# Altium PCB CameraControler0.7.PcbDoc (part 2 of 3) (continued)
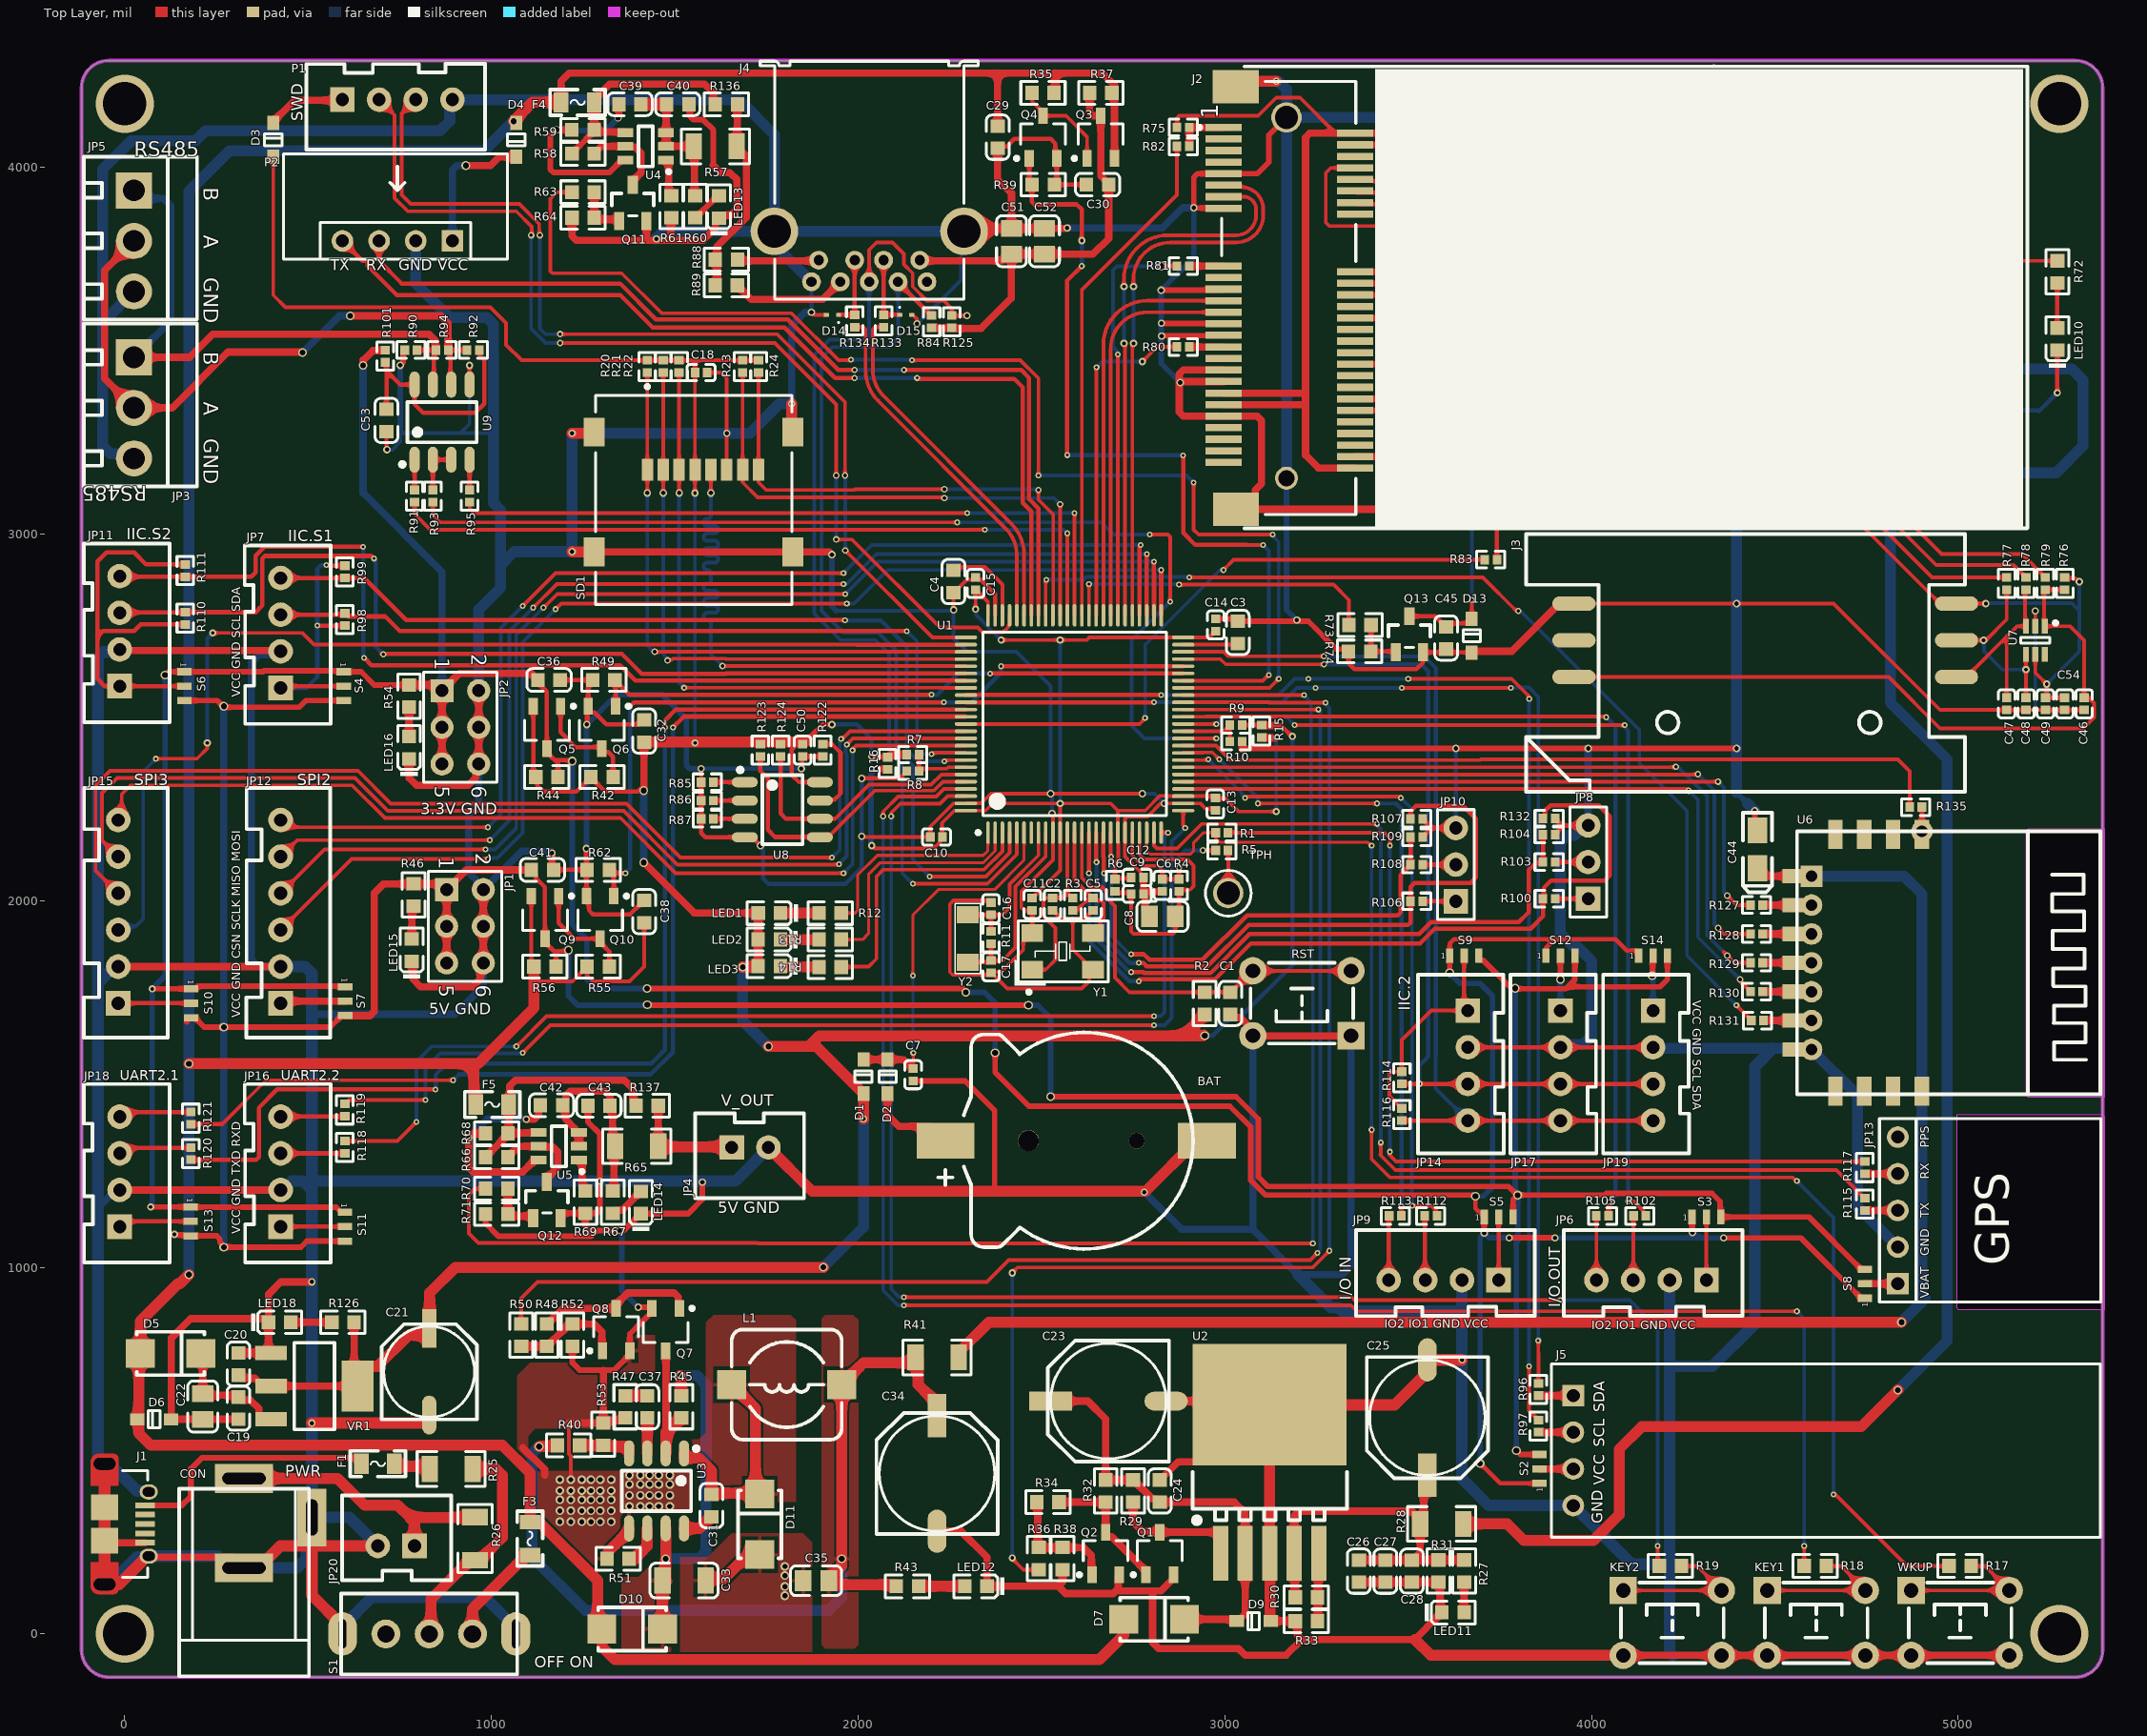
[diagram p0: Top Layer view]
## Nets (pads, with @x,y where several pads share a name; then routed paths per layer and width w, separated by ;. In a path a pad name is that pad's centre, name@x,y a point inside that pad or via, vN(x,y) a via of type N, cw(c..) or ccw(c..) an arc to the next point about the centre after c; other vN are vias at no path point) (continued)
  Top Layer w15: v2(751.28,3460) 759.13,3467.85 759.13,3497.22 R90.2@763.44,3501.54 ; v2(1258.87,2142.08) 1258.87,2086.08 R62.1@1260.95,2083.99 ; v2(1260,2480.3) 1260.96,2481.26 1260.96,2527.35 Q6.2@1263.74,2530.13 ; C7.2@2149.88,1508.39 2291.33,1508.39 2372.13,1427.59 2372.13,1208.26 2373.46,1206.93 ; v2(2826.22,3664.88) J2.21@2993.86,3664.88 ; v2(2826.66,3575) 2827.53,3574.13 2995.87,3574.13 J2.27@2996.73,3573.27 ; v2(2827.53,3540) 2828.41,3540.89 2995.85,3540.89 J2.29@2996.73,3541.77 ; v2@2915,3898.98 2915,3972.7 2925.02,3982.72 J2.9@2996.73,3982.72 3088.5,3982.72 3120,4014.21 3120,4088.27 J2.MH1@3167.99,4136.26 ; 2925.02,3888.96 2996,3888.96 J2.15@2996.73,3888.23 ; C3.1@3035,2762.05 3227.95,2762.05 3303.9,2686.1 3330.69,2686.1 R74.2@3337.2,2679.58 ; 3048.7,2415 v2(3629.7,2415) v2(3990.63,2415) v2(4395.59,2415) ; J2.40@3355,3368.54 3471.83,3368.54 ; J2.34@3355,3463.03 3474.5,3463.03 3483.28,3471.82 ; J2.26@3355,3589.02 v2(3483.28,3589.02) 3483.28,3471.82 ; J2.18@3355,3715 v2(3482.5,3715) ; J2.4@3355,4061.46 3466.22,4061.46 3470.47,4057.2 v2(3471.83,4057.2) ; v2@3483.28,3380 3483.28,3471.82 ; v2(4445,2245) 4445,2198.7 C44.2@4452.12,2191.58
  Top Layer w15.75: R71.2@983.7,1145 983.7,1120 1018.7,1085 1271.83,1085 1286.83,1100 ; Q12.2@1188.58,1133.9 1188.58,1141.5 1194.49,1147.4 R69.2@1256.02,1147.4 ; R52.1@1220.75,784.37 1220.75,739.25 1240,720 1335.32,720 1377.4,762.09 Q8.2@1377.4,771.93 1377.4,818.19 1404.96,845.75 1405.12,845.75 1437.6,878.23 Q7.2@1437.6,888.07 1434.65,891.02 v2(1400.2,891.02) ; C43.1@1262.6,1440.48 1262.6,1396.35 1296.06,1362.89 v2(1296.06,1235) 1296.06,1156.63 1286.83,1147.4 R69.2@1256.02,1147.4 ; C40.1@1538.15,4172.2 1541.38,4168.97 1541.38,4139.23 1550.6,4130 1577.12,4130 1604.92,4102.2 1604.92,4005 ; v2(1575,1232.32) 1575,1184.9 1536.4,1146.3 LED14.K@1407.52,1146.3 1406.53,1146.3 1360.23,1100 v2(1349.94,1100) 1286.83,1100 ; R69.2@1256.02,1147.4 1256.02,1109.22 1265.25,1100 1286.83,1100
  Top Layer w19.68: JP15.2@-18,1820 JP12.2@425,1820 ; JP18.2@-14,1210.66 JP16.2@425,1210.66 ; JP11.2@-14,2685 -11.5,2682.5 422.5,2682.5 JP7.2@425,2680 ; LED16.K@775.17,2387 775.17,2334.63 795.47,2314.34 936.15,2314.34 956.89,2335.08 956.89,2364.34 JP2.6@965.17,2372.63 JP2.4@965.17,2472.63 JP2.2@965.17,2572.63 ; LED15.K@782.66,1834.37 785.46,1831.57 785.46,1786.54 807,1765 948.84,1765 969.38,1785.54 969.38,1821.71 JP1.6@977.66,1830 JP1.4@977.66,1930 JP1.2@977.66,2030 ; v2(1165,2130) 1165.06,2129.94 1165.06,2088.11 C41.1@1169.18,2083.99 ; SD1.11@1280.55,2950.87 SD1.10@1821.89,2950.87 1921.2,2950.87 v2(1928.31,2943.76) ; R47.1@1305,575 1305,718.62 ; C1.1@3015,1689.47 3023.46,1681.01 3041.02,1681.01 3091.14,1630.89 RST.1@3358.86,1630.89 ; R10.2@3046.85,2433.78 3046.85,2413.15 3048.7,2415 ; KEY2.2@4086.14,-58.58 KEY2.2@4353.86,-58.58 KEY1.2@4478.64,-58.58 KEY1.2@4746.36,-58.58 WKUP.2@4871.14,-58.58 WKUP.2@5138.86,-58.58
  Top Layer w20: J1.Shell@-55,254.45 -49.09,248.54 J1.5@55.43,248.54 ; J1.Shell@65.28,212.13 68.03,209.37 295.63,209.37 CON.2@325,180 CON.2@353.78,180 ; C19.1@310,585.35 D6.1@126.46,585.35 126.46,806.46 180,860 381.89,860 382.6,859.29 383.58,859.29 LED18.K@391.89,850.98 ; C20.1@310,766.46 VR1.1@398.85,766.46 391.89,773.42 LED18.K@391.89,850 LED18.K@391.89,850.98 ; v2(510.04,960) 425.77,960 391.89,926.12 LED18.K@391.89,850.98 ; 1085.79,507.5 1145.14,448.15 1145.14,433 ; 1210.75,575 R47.1@1305,575 1312.03,582.03 1357.97,582.03 R53.1@1365,589.05 ; R64.2@1219.6,3862.2 1219.6,3812.91 1231.32,3801.2 1410.92,3801.2 ; Q11.2@1422.64,3853.78 1422.64,3812.91 1410.92,3801.2 ; R61.2@1490.23,3862.2 1489.13,3861.1 1489.13,3813.9 1476.43,3801.2 ; 1604.92,4005 1624.29,3985.63 1650,3985.63 1668.9,3966.73 1668.9,3885 1653.78,3869.88 1628.54,3869.88 LED13.K@1620.23,3861.57 ; LED13.K@1610.94,3853.27 1610.94,3834.8 1577.34,3801.2 1476.43,3801.2 ; C34.2@2215,280.04 2280.47,280.04 2351.26,209.25 LED12.K@2351.26,130 2545.49,130 ; J4.Shell@2288.66,3825.63 2296.58,3833.54 C51.1@2418.05,3833.54 ; C29.1@2380.25,4051.89 2380.25,3967.17 2418.05,3929.37 C51.1@2418.05,3833.54 ; R38.1@2557.21,174.92 2557.21,141.72 2545.49,130 ; v2(2570,3834.8) 2568.74,3833.54 C52.1@2508.05,3833.54 C51.1@2418.05,3833.54 ; Q2.2@2712.21,161.34 2709.41,158.54 2709.41,124.41 2702.21,117.21 ; C12.2@2777.72,2063.11 C9.1@2777.72,2018.11 ; C8.1@2794.92,1956.73 2782.09,1969.57 2782.09,2012.76 2777.72,2017.13 C9.1@2777.72,2018.11 ; C24.1@2822.21,419.92 2823.19,419.92 2872.84,469.57 2966.85,469.57 U2.0@3122.21,624.92 3112.21,634.92 C23.2@2839.69,634.92 ; C6.1@2829.33,2025 2783.62,2025 2777.72,2019.09 C9.1@2777.72,2018.11 ; Q1.2@2859.61,161.34 2859.61,151.49 2825.32,117.21 2802.91,117.21 ; J2.37@2996.73,3415.79 2881.17,3415.79 v2(2878.28,3412.89) v2@2875.39,3410 ; J2.35@2996.73,3447.28 2887.1,3447.28 2875.39,3435.57 v2@2875.39,3410 ; J2.54@3030.2,3067.36 J2.54@3047.91,3067.36 ; D9.1@3125.12,34.92 R33.1@3191.89,34.92 3198.28,28.53 3198.28,-3.28 3210,-15 ; J2.50@3355,3211.06 3483.28,3211.06 3495,3199.35 ; C26.1@3365,140.82 3365.09,140.92 3582.11,140.92 R31.1@3582.21,141.02 3586.89,136.34 3586.89,63.23 LED11.K@3591.58,58.54 3591.58,57.56 3583.27,49.25 3582.28,49.25 3518.03,-15 3210,-15 ; v2(3495,3274.05) 3495,3199.35 ; D13.1@3673.27,2675.91 3677.69,2680.33 3782.65,2680.33 3912.32,2810 J3.4@3951.69,2810 ; 1410.92,3801.2 1476.43,3801.2 ; 2545.49,130 2565.49,110 2695,110 2702.21,117.21 ; 2702.21,117.21 2802.91,117.21 ; 2802.91,117.21 2802.91,-23.27 2819.64,-40 3036.69,-40 3055.28,-58.58 3166.42,-58.58 3210,-15 ; v2@2875.39,3410 2875.39,3333.01 2887.1,3321.3 J2.43@2996.73,3321.3 3088.28,3321.3 3100,3309.58 3100,3137.16 3083.19,3120.35 3083.19,3102.64 J2.54@3047.91,3067.36 ; J2.54@3047.91,3067.36 3482.5,3067.36 3495,3079.86 3495,3199.35
  Top Layer w30: v2(1220,2951.73) 1220.87,2950.87 SD1.11@1280.55,2950.87 ; v2(1220,3275) 1277.91,3275 SD1.12@1280.55,3277.64 ; R51.2@1314.68,205 1317.99,208.31 1317.99,224.21 1375,281.22 U3.5@1375,287.64 ; C33.2@1599.02,151.1 1634.09,151.1 D11.1@1720,237.01 ; JP4.2@1755.16,1326.79 1875.02,1206.93 2373.46,1206.93 v2@2780,1206.93 ; v2(1818.31,3355) 1818.31,3281.22 SD1.9@1821.89,3277.64 ; v2@2783.29,1206.93 2921.36,1345 BAT.2@2950.88,1345 ; J2.53@3029.73,4220.24 3044.49,4235 v2(3140,4235) ; U2.0@3122.21,624.92 U2.3@3122.21,219.41 3123.66,217.95 3123.66,36.26 3125,34.92 D9.1@3125.12,34.92 ; 3518.03,-15 3561.62,-58.58 KEY2.2@4086.14,-58.58
  Top Layer w31.5: J1.Shell@-55,464.09 J1.Shell@-55,345 J1.Shell@-55,254.45 J1.Shell@-55,135.35 -15.43,135.35 61.34,212.13 J1.Shell@65.28,212.13 ; CON.2@353.78,180 364.37,180 424.37,240 CON.3@510.04,240 ; CON.3@496.29,304.05 510.04,290.3 CON.3@510.04,240 ; v2(510.04,575) 826.36,575 830,578.64 C21.2@830,596.89 ; S1.0@593.78,0 593.78,21.94 510.04,105.68 CON.3@510.04,240 ; JP20.2@690,240 CON.3@510.04,240 ; U2.0@3122.21,624.92 3463.19,624.92 3552.21,713.93 C25.2@3552.21,747.4 v2(3646.46,747.4)
  Bottom Layer w10: v2(715,3230) 730,3230 751.28,3251.28 751.28,3279.37 755.65,3275 915.17,3275 ; v5(940.17,3460) 940.17,3300 915.17,3275 ; 1005,3275 915.17,3275 ; v2(1872.52,3604.76) J4.5@1872.52,3687.83 ; 1940,2790.8 2257.79,2790.8 v2(2260,2793.02) 2260,2715.47 2296.89,2678.58 2431.42,2678.58 2524.73,2585.27 v2(2524.73,2291.62) 2528.64,2287.71 v2(2528.64,2237.97) ; v2(2160.45,3573.27) 2280,3692.81 2280,3816.97 J4.Shell@2288.66,3825.63 ; v2(2775.15,2291.62) 2808.38,2291.62 v2(2835,2265) ; v2(5210,2520) v2(5210,2790)
  Bottom Layer w11.81: v2(1571.58,2359.94) 1571.85,2359.67 v2(1845,2359.67) ; v2(1733.31,2150) 1740,2143.31 1740,2061.06 1755.16,2045.9 1965.69,2045.9 2009.57,2089.78 v2(2009.57,2174.99) v2(2009.57,2333.36) ; JP10.3@3629.7,2198.11 v2(3629.7,2415)
  Bottom Layer w15: 751.28,3279.37 v2(751.28,3460) ; v2(1258.87,2142.08) 1258.87,2479.17 v2(1260,2480.3) 1341.33,2561.63 1465.02,2561.63 1531.65,2495 1531.65,2457.71 1531.5,2457.56 1531.5,2368.72 1540.29,2359.94 v2(1571.58,2359.94) ; v2(1928.31,2943.76) 1928.31,2802.5 1940,2790.8 ; v2(2878.28,3412.89) 2826.22,3464.95 v2(2826.22,3664.88) 2915,3753.67 v2(2915,3890) ; J2.MH2@3167.99,3152.01 3167.99,2793.28 v2(3196.27,2765) ; 3465,4136.26 3471.83,4129.43 v2(3471.83,4057.2) 3471.83,3727.03 3482.5,3716.35 v2(3482.5,3715) 3482.89,3714.61 3482.89,3589.41 v2(3483.28,3589.02) ; v2(4395.59,2415) 4395.59,2294.41 4425,2265
  Bottom Layer w15.75: v2(1349.94,1100) 1355,1094.94 1355,936.22 v2(1400.2,891.02)
  Bottom Layer w19.68: -73.21,1171.59 -64.01,1171.59 -24.93,1210.66 JP18.2@-14,1210.66 ; JP12.2@425,1820 365,1820 345,1840 345,2650 365.96,2670.96 415.96,2670.96 JP7.2@425,2680 ; 510.04,1690 900,1690 977.66,1767.66 JP1.6@977.66,1830 JP1.4@977.66,1930 JP1.2@977.66,2030 ; JP2.2@965.17,2572.63 JP2.4@965.17,2472.63 JP2.6@965.17,2372.63 965.17,2262.26 937.91,2235 937.91,2076.55 977.66,2036.8 JP1.2@977.66,2030 ; v2(1165,2130) 1160,2135 1082.66,2135 JP1.2@977.66,2030 ; v2(2780,1205) 2882.15,1102.85 3076.14,1102.85 ; RST.1@3076.14,1631.42 3076.14,1102.85 ; RST.1@3343.86,1631.42 3343.86,1003.86 3320,980 3199,980 3076.14,1102.85 ; KEY2.2@4086.14,-58.58 4220,-58.58 KEY2.2@4353.86,-58.58 KEY1.2@4478.64,-58.58 KEY1.2@4746.36,-58.58 WKUP.2@4871.14,-58.58 WKUP.2@5138.86,-58.58
  Bottom Layer w20: v2(1818.31,3355) 1818.31,3568.07 1855,3604.76 v2(1872.52,3604.76) ; v2(2570,3834.8) 2829.8,3834.8 2885,3890 v2(2915,3890) ; v2(3483.28,3375) 3495,3363.28 v2(3495,3274.05) ; JP8.3@3990.63,2205.08 v2(3990.63,2415)
  Bottom Layer w30: JP3.3@25,3206.1 11.91,3219.19 -39.19,3219.19 -60,3240 -60,3576.45 ; JP5.3@25,3661.45 -60,3576.45 ; P2.2@793.39,3799.25 793.39,3683.07 886.45,3590 987.43,3590 1005,3572.43 1005,3275 1005,3085 1025,3065 1025,2915 ; JP2.2@965.17,2572.63 965.17,2793.37 1025,2853.19 1025,2915 ; v2(1450,3805) 1450,3808.06 1467.57,3825.63 J4.Shell@1771.34,3825.63 ; v2(1818.31,3355) 1785,3355 1705,3275 v2(1641.58,3275) v2(1220,3275) v2(1220,2951.73) 1061.73,2951.73 1025,2915 ; J4.5@1872.52,3687.83 1790.46,3769.9 1790.46,3806.51 J4.Shell@1771.34,3825.63 ; J4.Shell@2288.66,3825.63 J4.Shell@1771.34,3825.63 ; v2(3140,4235) 3145.42,4235 3167.99,4212.43 J2.MH1@3167.99,4136.26 ; J2.MH2@3167.99,3152.01 J2.MH1@3167.99,4136.26 ; JP17.2@3915,1600 3922.07,1607.07 3975.65,1607.07 4000,1631.42 4000,1835.52 3960.52,1875 3950,1875 3915,1910 3915,2160 3932.57,2177.57 3953.13,2177.57 3980.64,2205.08 JP8.3@3990.63,2205.08 ; JP19.2@4167.5,1600 4170.5,1597 4495,1597 4596.53,1597 U6.7@4599.53,1594 4725,1468.53 4725,1165 JP13.2@4835,1055 ; 4395.59,2294.41 v2(4395.59,2810) 4395.59,3070.59 4615,3290 4829.57,3290 4920.68,3198.89 5025.83,3198.89 J2.MH4@5057.76,3166.97 5266.97,3166.97 5340,3240 5340,3420 5310,3450 5100.08,3450 v2(5075.08,3475) 5057.76,3492.32 J2.MH3@5057.76,4121.14 5042.64,4136.26 3465,4136.26 J2.MH1@3167.99,4136.26 ; 4425,2265 v2(4445,2245) ; -60,3576.45 -60,3995 17.5,4072.5 192.5,4072.5 220,4100 860,4100 886.32,4126.32 886.32,4177.64 P1.4@893.39,4184.7 1675.3,4184.7 1771.34,4088.66 J4.Shell@1771.34,3825.63
  Bottom Layer w31.5: JP15.2@-18,1820 -27.59,1820 -62.59,1785 -73.21,1785 ; JP11.2@-14,2685 -20.78,2678.22 -58.33,2678.22 -73.21,2663.34 -73.21,1785 ; J1.Shell@65.28,387.32 63.39,389.21 33.67,389.21 -41.22,464.09 J1.Shell@-55,464.09 ; JP16.2@425,1210.66 430.66,1210.66 455,1235 485.08,1235 510.04,1210.04 ; JP12.2@425,1820 491.59,1820 510.04,1801.55 510.04,1690 510.04,1235 ; S1.0@593.78,0 593.78,19.69 674.09,100 981.81,100 1066.22,15.59 S1.0@1066.22,0 ; JP20.2@690,240 612.21,317.79 CON.3@510.04,317.79 ; JP4.2@1755.16,1326.79 1755.16,1325.16 1665,1235 v2(1296.06,1235) 510.04,1235 ; 3199,980 3289,890 3310,890 3320,880 3646.46,880 ; JP9.2@3646.46,965 3646.46,880 ; JP6.2@4213,965 4213,730 ; 4220,-58.58 4213,-51.58 4213,190 ; 4495,1597 4445,1547 4445,845.75 4329.25,730 4213,730 ; -73.21,1785 -73.21,1171.59 -73.21,475.01 -62.3,464.09 J1.Shell@-55,464.09 ; J1.Shell@-55,464.09 J1.Shell@-55,135.35 -41.22,135.35 33.67,210.24 63.39,210.24 J1.Shell@65.28,212.13 253.5,212.13 285.63,180 CON.2@325,180 470,180 495,205 495,302.75 CON.3@510.04,317.79 ; CON.3@510.04,317.79 v2(510.04,575) v2(510.04,960) 510.04,1210.04 ; 510.04,1210.04 510.04,1235 ; 3646.46,880 v2(3646.46,747.4) 3646.46,423.21 3719.66,350 J5.4@3950,350 4110,190 4213,190 ; 4213,190 4213,730
  other v3: 1800,104.12 1800,129.12 1800,159.12 1800,184.12 1186.34,305.75 1216.34,305.75 1246.34,305.75 1271.34,305.75 1296.34,305.75 1326.34,305.75 1186.34,335.75 1216.34,335.75 1246.34,335.75 1271.34,335.75 1296.34,335.75 1326.34,335.75 1376.1,348 1406.1,348 1431.1,348 1456.1,348 1486.1,348 1186.34,365.75 1216.34,365.75 1246.34,365.75 1271.34,365.75 1296.34,365.75 1326.34,365.75 1376.1,378 1406.1,378 1431.1,378 1456.1,378 1486.1,378 1186.34,390.75 1216.34,390.75 1246.34,390.75 1271.34,390.75 1296.34,390.75 1326.34,390.75 1376.1,408 1406.1,408 1431.1,408 1456.1,408 1486.1,408 1186.34,420.75 1246.34,420.75 1271.34,420.75 1296.34,420.75 1326.34,420.75 1376.1,433 1406.1,433 1431.1,433 1456.1,433 1486.1,433
I2C1_SCL: R124.2 U1.95 U8.6 | length 717.1
  Top Layer w10: 1936.69,2222.97 2029.72,2316 2198.82,2316 2226.76,2343.94 U1.95@2293.74,2343.94
  Top Layer w11.81: R124.2@1788.31,2393.36 1788.31,2237.97 1803.31,2222.97 U8.6@1895.67,2222.97 1936.69,2222.97
I2C1_SDA: R123.2 U1.96 U8.5 | length 819.8
  Top Layer w10: U8.5@1918.41,2172.97 2045.43,2300 2206.73,2300 2230.98,2324.25 U1.96@2293.74,2324.25
  Top Layer w11.81: R123.2@1733.31,2393.36 1733.31,2353.36 1753.31,2333.36 1753.31,2193.36 1773.31,2173.36 1895.28,2173.36 U8.5@1895.67,2172.97 U8.5@1918.41,2172.97
I2C2_SCL: JP14.3 JP17.3 JP19.3 R114.2 U1.47 | length 2503.6
  Top Layer w10: U1.47@2886.26,2658.9 2902.99,2658.9 2987.72,2658.9 3002.16,2644.45 v1(3270,2644.45)
  Top Layer w11.81: R114.2@3482.5,1500 v6(3530,1500) JP14.3@3662.5,1500 JP17.3@3915,1500 JP19.3@4167.5,1500
  Bottom Layer w11.81: v1(3270,2644.45) 3270.55,2645 3535,2645 3555,2625 3555,1575 3530,1550 v6(3530,1500)
I2C2_SDA: JP14.4 JP17.4 JP19.4 R116.2 U1.48 | length 2662.8
  Top Layer w10: U1.48@2886.26,2678.58 2995.87,2678.58 3008,2666.45 v1(3270,2666.45)
  Top Layer w11.81: R116.2@3482.5,1400 JP14.4@3662.5,1400 JP17.4@3915,1400 JP19.4@4167.5,1400
  Bottom Layer w10: v1(3270,2666.45) 3270.55,2665.91 3543.66,2665.91 3575,2634.56 ; 3575,1575 3575,1487.5 JP14.4@3662.5,1400
  Bottom Layer w11.81: 3575,1575 3575,2634.56
I2C_SCL_OLED: R97.2 U1.84 | length 3559.1
  Top Layer w10: v1(3500,2605) 3782.03,2605 3830,2557.03 v1(3830,2550) ; v1(3829.5,730) 3829.5,608.96 R97.2@3855,583.46
  Top Layer w11.81: U1.84@2293.74,2560.47 2293.96,2560.69 2826,2560.69 v1(2826.22,2560.47)
  Bottom Layer w10: v1(2826.22,2560.47) 3145.47,2560.47 3190,2605 v1(3227.95,2605) v1(3500,2605) ; v1(3829.5,730) 3829.5,2549.5 v1(3830,2550)
I2C_SCL_S1: JP7.3 R98.2 U1.92 | length 2208.8
  Top Layer w10: v1(2200,2399.44) 2203.55,2402.99 U1.92@2293.74,2402.99
  Top Layer w11.81: JP7.3@425,2780 R98.2@603.46,2780 ; R98.2@600,2783.46 R98.2@603.46,2780 ; v1(2132.16,2735) 750,2735 710,2775 608.47,2775 R98.2@603.46,2780
  Bottom Layer w10: v1(2132.16,2735) 2160.45,2706.71 2160.45,2406.2 2167.21,2399.44 v1(2200,2399.44)
I2C_SCL_S2: JP11.3 R110.2 U1.81 | length 2725.5
  Top Layer w11.81: JP11.3@-10,2785 -9.13,2785.87 164.13,2785.87 R110.2@165,2786.73 358.08,2786.73 365,2793.65 365,2795 375,2805 375,2933.08 381.92,2940 673.08,2940 v1(680,2933.08) ; v1@700,2672.81 1355.3,2672.81 1409.17,2618.94 1638.66,2618.94 1639.25,2619.53 U1.81@2293.74,2619.53 ; v1(705,2671.73) 708.13,2671.73 v1@709.21,2672.81
  Bottom Layer w11.81: v1(680,2933.08) 683.74,2929.34 683.74,2692.99 v1(705,2671.73)
I2C_SDA_OLED: R96.2 U1.85 | length 3460.3
  Top Layer w10: v1(3482.5,2580.16) v1(3780,2580.16) ; v1(3854.5,800) 3854.5,765.5 3855,765 R96.2@3855,683.46
  Top Layer w11.81: U1.85@2293.74,2540.79 v1(2806.53,2540.79)
  Bottom Layer w10: v1(2806.53,2540.79) 3156.9,2540.79 3196.27,2580.16 v1(3247.13,2580.16) v1(3482.5,2580.16) ; v1(3780,2580.16) 3780.86,2581.01 3829.14,2581.01 3854.5,2555.66 v1(3854.5,800)
I2C_SDA_S1: JP7.4 R99.2 U1.93 | length 2242.6
  Top Layer w10: v1(2235,2380) 2238.31,2383.31 U1.93@2293.74,2383.31
  Top Layer w11.81: JP7.4@425,2880 R99.2@600,2880 652.66,2880 767.66,2765 v1(1964,2765)
  Bottom Layer w10: 2132.16,2694.25 2132.16,2411.86 2163.58,2380.44 2234.56,2380.44 v1(2235,2380)
  Bottom Layer w11.81: v1(1964,2765) 1964.8,2764.2 2062.22,2764.2 2132.16,2694.25
I2C_SDA_S2: JP11.4 R111.2 U1.82 | length 2689.6
  Top Layer w11.81: JP11.4@-10,2885 -8.27,2883.27 R111.2@165,2883.27 345,2883.27 357.19,2895.46 357.19,2940.46 381.73,2965 v1@647.81,2965 ; v1(652.66,2662.2) 672.83,2642.03 1350.6,2642.03 1392.09,2600.53 2293.05,2600.53 U1.82@2293.74,2599.84
  Bottom Layer w11.81: v1(650,2965) 650,2666 652.66,2663.34 v1(652.66,2662.2)
IO1_IN: R112.2 U1.33 | length 1866.8
  Top Layer w10: U1.33@2886.26,2383.31 2953.31,2383.31 v1(2955,2385) ; v1(3055,2280) 3059,2284 3480.07,2284 v1(3480.07,2280.3) ; v1(3511.08,1167.8) 3562.73,1167.8 3577.2,1153.32 3577.2,1140.98 R112.2@3578.19,1140 R112.2@3578.19,1149.02
  Bottom Layer w10: v1(2955,2385) 3045,2295 3045,2291.62 3055,2281.62 v1(3055,2280) ; v1(3480.07,2280.3) 3510.37,2250 3510.37,1508.66 3510,1508.28 3510,1168.87 v1(3511.08,1167.8)
IO1_OUT: R102.2 U1.38 | length 2582.2
  Top Layer w10: U1.38@2886.26,2481.73 v1(2976.43,2481.73) ; v1(3190,2478.78) 4079.02,2478.78 4080,2477.79 ; v1(4100,1180) 4114.7,1180 4148,1146.7 R102.2@4148,1140
  Bottom Layer w10: v1(2976.43,2481.73) 2995,2500.3 3168.47,2500.3 v1(3190,2478.78) ; v1(4090,2478.78) 4090,2473.78 4100,2463.78 v1(4100,1180)
IO2_IN: R113.2 U1.34 | length 1778.2
  Top Layer w10: U1.34@2886.26,2402.99 2940,2402.99 2941.01,2404 2966,2404 v1(2985,2385) ; v1(3090,2265) v1(3415,2265) ; R113.2@3481.46,1140 v1(3481.46,1167.8)
  Bottom Layer w10: v1(2985,2385) 3090,2280 v1(3090,2265) ; v1(3415,2265) 3466.46,2265
  Bottom Layer w11.81: 3466.46,2265 3481.46,2250 v1(3481.46,1167.8)
IO2_OUT: R105.2 U1.39 | length 2529.1
  Top Layer w10: U1.39@2886.26,2501.42 2947.2,2501.42 2948.36,2502.57 3246.66,2502.57 3247.13,2502.1 4035.69,2502.1 v1@4036.16,2502.57
  Top Layer w11.81: R105.2@4046.46,1140 4046.46,1176.84 v1(4048.05,1178.42)
  Bottom Layer w11.81: v1(4040,2500.3) 4065,2475.3 4065,1195.37 v1(4048.05,1178.42)
KEY1: R18.1 U1.97 | length 4776
  Top Layer w10: v1(2068,2230) 2068,2242.84 2109.16,2284 2213.36,2284 2233.92,2304.57 U1.97@2293.74,2304.57 ; v1(2124.29,896.47) 3343.86,896.47 3360.33,880 v1(4560,880) ; R18.1@4579.69,185 v1(4579.69,240)
  Bottom Layer w10: v1(2068,2230) 2068,936.93 2108.46,896.47 v1(2124.29,896.47) ; v1(4560,880) 4579.69,860.31 v1(4579.69,240)
KEY2: R19.1 U1.98 | length 4306.6
  Top Layer w10: v1(2090,2230) 2090,2239.76 2114.68,2264.45 2223.19,2264.45 2243.63,2284.88 U1.98@2293.74,2284.88 ; v1(2124.29,918.47) 3344.49,918.47 3352.95,910 v1(3915,910) ; v1(4180,240) 4180,189.69 R19.1@4184.69,185
  Bottom Layer w10: v1(2090,2230) 2090,940 2111.53,918.47 v1(2124.29,918.47) ; v1(3915,910) 4103.25,910 4180,833.25 v1(4180,240)
KEY_WKUP: R1.1 R17.1 U1.23 | length 4061.2
  Top Layer w8: U1.23@2786.85,2185.47 2786.85,2135.15 2794.92,2127.08 2906.23,2127.08 2915,2135.85 2915,2158.54 2941.94,2185.47 R1.1@2975,2185.47 2975,2170.04 2985.51,2159.53 3388.67,2159.53 3391.18,2157.02
  Top Layer w10: 3391.18,2157.02 3398.38,2149.82 v1(3400,2149.82) ; v1(3400,1375) 3400,1295 3450,1245 4548.38,1245 4558.38,1235 v1(4560,1235) v1@4560,1233.46 ; v1(4660,380) 4665,380 4860,185 R17.1@4974.69,185
  Bottom Layer w10: v1(3400,1375) v1(3400,2149.82) ; v1(4560,1235) 4660,1135 v1(4660,380)
LED1: R12.1 U1.1 | length 576.7
  Top Layer w8: R12.1@1953.62,1966.11 1991.67,1966.11 1998.68,1973.11 1998.68,2069.94 2052.21,2123.47 2341.29,2123.47 2353.78,2135.96 U1.1@2353.78,2185.47
LED2: R13.1 U1.2 | length 664.5
  Top Layer w8: R13.1@1953.62,1893.61 2011.76,1893.61 2028.16,1910 2028.16,2071.59 2060.36,2103.79 2341.41,2103.79 2373.46,2135.85 U1.2@2373.46,2185.47
LED3: R14.1 U1.3 | length 752.7
  Top Layer w10: R14.1@1953.62,1818.66 1954.61,1819.64 2028.16,1819.64 2050,1841.48 2050,2065.59 2069,2084.59 2343.42,2084.59 2393.15,2134.32 U1.3@2393.15,2185.47
LED_WWAN#: J2.42 LED10.K | length 2052.7
  Top Layer w11.81: J2.42@3355,3337.05 3592.95,3337.05 v5(3595,3335) ; v5(5270,3385) LED10.K@5270,3501.1
  Bottom Layer w11.81: v5@3595,3337.05 5220,3337.05 ; 5220,3335 v5(5270,3385)
LOG_RXD: P2.4 U1.69 | length 2659
  Top Layer w11.81: P2.4@593.39,3799.25 647.81,3744.83 661.57,3744.83 661.57,3731.65 741.89,3651.34 1351.49,3651.34 1439.64,3563.19 1799.33,3563.19 1937.05,3425.47 1989.91,3425.47 v1(1990,3425.38) ; v1@2160.45,3423.33 2424.97,3423.33 2448.31,3399.99 2448.31,3084.84 2471.89,3061.26 U1.69@2471.89,2777.99
  Bottom Layer w11.81: v1(1990,3425.38) 1990.05,3425.42 2160.41,3425.42 v1(2160.45,3425.47)
LOG_TXD: P2.3 U1.68 | length 2617.7
  Top Layer w11.81: P2.3@693.39,3799.25 693.39,3744.83 755.06,3683.15 1350.53,3683.15 1448.68,3585 1808.37,3585 1946.08,3447.28 1989.91,3447.28 v1(1990,3447.38) ; v1(2125,3447.38) 2444.52,3447.38 2466.13,3425.77 2466.13,3094.87 2491.35,3069.64 2491.35,2778.21 U1.68@2491.58,2777.99
  Bottom Layer w11.81: v1(1990,3447.38) v1(2125,3447.38)
NetBAT_1: BAT.1 D2.1 | length 245.4
  Top Layer w19.68: D2.1@2080,1473.54 2080,1415 2110.63,1384.37 2198.51,1384.37 BAT.1@2237.88,1345
NetC1_2: C1.2 R2.2 RST.2 U1.14 | length 1149.6
  Top Layer w10: U1.14@2609.69,2185.47 2609.69,2063.11 2635.71,2037.08 2665.36,2037.08 2676.2,2026.24 2676.2,2008.63 2700,1984.84 2700,1790 2739.9,1750.1 R2.2@2945,1750.1 C1.2@3015,1750.1 3015.98,1750.1 3073.94,1808.06 3091.14,1808.06 RST.2@3358.86,1808.06
NetC2_1: C2.1 R3.2 U1.12 Y1.1 | length 510.4
  Top Layer w10: Y1.1@2474.52,1811.58 2511.26,1811.58 2537.8,1838.12 2537.8,1925 2505,1957.8 2505,2000.32 2512.48,2007.8 2528.64,2007.8 C2.1@2529.86,2006.58 2531.07,2007.8 2557.65,2007.8 2570.32,2020.46 ; U1.12@2570.32,2185.47 2570.32,2020.46 ; R3.2@2585.19,2006.58 2584.2,2006.58 2570.32,2020.46
NetC3_2: C3.2 U1.49 | length 150
  Top Layer w10: U1.49@2886.26,2698.27 3031.85,2698.27 C3.2@3035,2701.42
NetC4_2: C4.2 U1.73 | length 240.8
  Top Layer w10: C4.2@2260,2900.63 2269.37,2910 2345,2910 2393.15,2861.85 U1.73@2393.15,2777.99
NetC5_1: C5.1 R3.1 U1.13 Y1.3 | length 395.8
  Top Layer w8: C5.1@2629.37,2006.58 C5.1@2639.54,2006.58 ; Y1.3@2640.52,1911.58 Y1.3@2660,1931.06
  Top Layer w10: R3.1@2585.19,1973.11 2595.9,1973.11 C5.1@2629.37,2006.58 ; U1.13@2590,2185.47 2590,2056.11 2639.54,2006.58 C5.1@2640.52,2006.58 2647.33,1999.76 2662.44,1999.76 2668.74,1993.47 2668.74,1966.17 2668.74,1950.3 2660,1941.56 Y1.3@2660,1931.06
NetC6_2: C6.2 R4.1 R5.1 U1.21 | length 399.6
  Top Layer w10: U1.21@2747.48,2185.47 2747.48,2122.67 2775.15,2095 2817.02,2095 2829.33,2082.68 C6.2@2829.33,2058.46 R4.1@2875,2058.46 v6(2875,2090) ; v6(2940,2136.73) R5.1@2975,2136.73
  Bottom Layer w10: v6(2875,2090) 2875,2120 2891.73,2136.73 v6(2940,2136.73)
NetC7_1: C7.1 D1.2 D2.2 U1.6 | length 1004.9
  Top Layer w8: C7.1@2148.9,1541.85 2150,1542.95 v1(2150,1585) ; v1(2148.9,1795.27) 2148.9,1960.2 2218.7,2030 2372.13,2030 2452.21,2110.08 U1.6@2452.21,2185.47
  Top Layer w19.68: D1.2@2014.25,1566.46 D2.2@2080,1566.46 2124.29,1566.46 C7.1@2148.9,1541.85
  Bottom Layer w8: v1(2148.9,1795.27) 2148.9,1586.1 v1(2150,1585)
NetC19_2: C19.2 C22.2 D5.2 VR1.3 | length 338.2
  Top Layer w19.68: D5.2@207.68,765 212.68,760 C22.2@212.68,655.43 217.4,650.71 305.28,650.71 C19.2@310,645.98 318.46,637.52 342.48,637.52 365.39,614.61 365.39,595.2 375.23,585.35 VR1.3@398.85,585.35
NetC23_1: C23.1 C24.2 D7.2 D9.2 R29.2 R32.2 U2.2 | length 1205.1
  Top Layer w20: C23.1@2524.73,634.92 2626.03,634.92 2674.8,586.14 R32.2@2674.8,419.92 R29.2@2749.61,419.92 2750.59,419.92 2802.91,367.6 2813.9,367.6 C24.2@2822.21,359.29 3025.71,359.29 3055.28,329.72 U2.2@3055.28,219.41 3055.28,54.65 3035.55,34.92 D9.2@3032.21,34.92 3027.21,39.92 D7.2@2889.88,39.92
NetC25_1: C25.1 C26.2 C27.2 C28.2 R27.2 R28.1 R30.2 R31.2 U2.4 | length 1130
  Top Layer w20: R30.2@3191.89,99.92 3190.51,101.3 3190.51,218.03 U2.4@3189.14,219.41 3189.14,323.28 3200.85,335 3510.37,335 3532.26,313.11 R28.1@3532.26,299.92 ; C26.2@3365,201.45 3365.09,201.55 C28.2@3510,201.55 ; C28.2@3510,201.45 3510.98,201.45 C28.2@3511.08,201.55 ; C25.1@3552.21,432.44 3542.23,422.47 3542.23,309.89 R28.1@3532.26,299.92 ; R27.2@3652.21,201.65 3652.11,201.55 C28.2@3511.08,201.55 ; C28.2@3511.08,201.55 3532.26,222.74 R28.1@3532.26,299.92
NetC31_1: C31.1 U3.8 | length 88.3
  Top Layer w30: U3.8@1525,287.64 1566.97,287.64 1599.02,319.69 C31.1@1600,319.69
NetC31_2: C31.2 D11.2 L1.2 U3.1 | length 599.5
  Top Layer w30: U3.1@1525,492.36 1525,481.22 1526.22,480 1565,480 1600,445 C31.2@1600,380.32 1603.31,383.62 1701.26,383.62 1720,402.36 1720,615 L1.2@1655,680
NetC33_1: C33.1 D10.2 R45.1 U3.7 | length 987.7
  Top Layer w30: D10.2@1466.34,13.58 C33.1@1466.34,145.47 ; U3.7@1475,287.64 v4(1475,205) 1475,146.22 C33.1@1478.11,143.11 ; v4(1515,705) 1516.61,703.39 1516.61,650.67 R45.1@1517.6,649.68
  Bottom Layer w30: v4(1475,205) 1565,205 1585,225 1585,680 1560,705 v4(1515,705)